# Altium PCB PCB_PLC200.PcbDoc
Units mil, origin at the board's own origin, x right, y up, seen from the top; angles counter-clockwise.
Board outline 3937.01 x 3188.98 mil, 2 copper layers (Top Layer, Bottom Layer); 54 components, 34 nets, 140 pads, 0 vias.
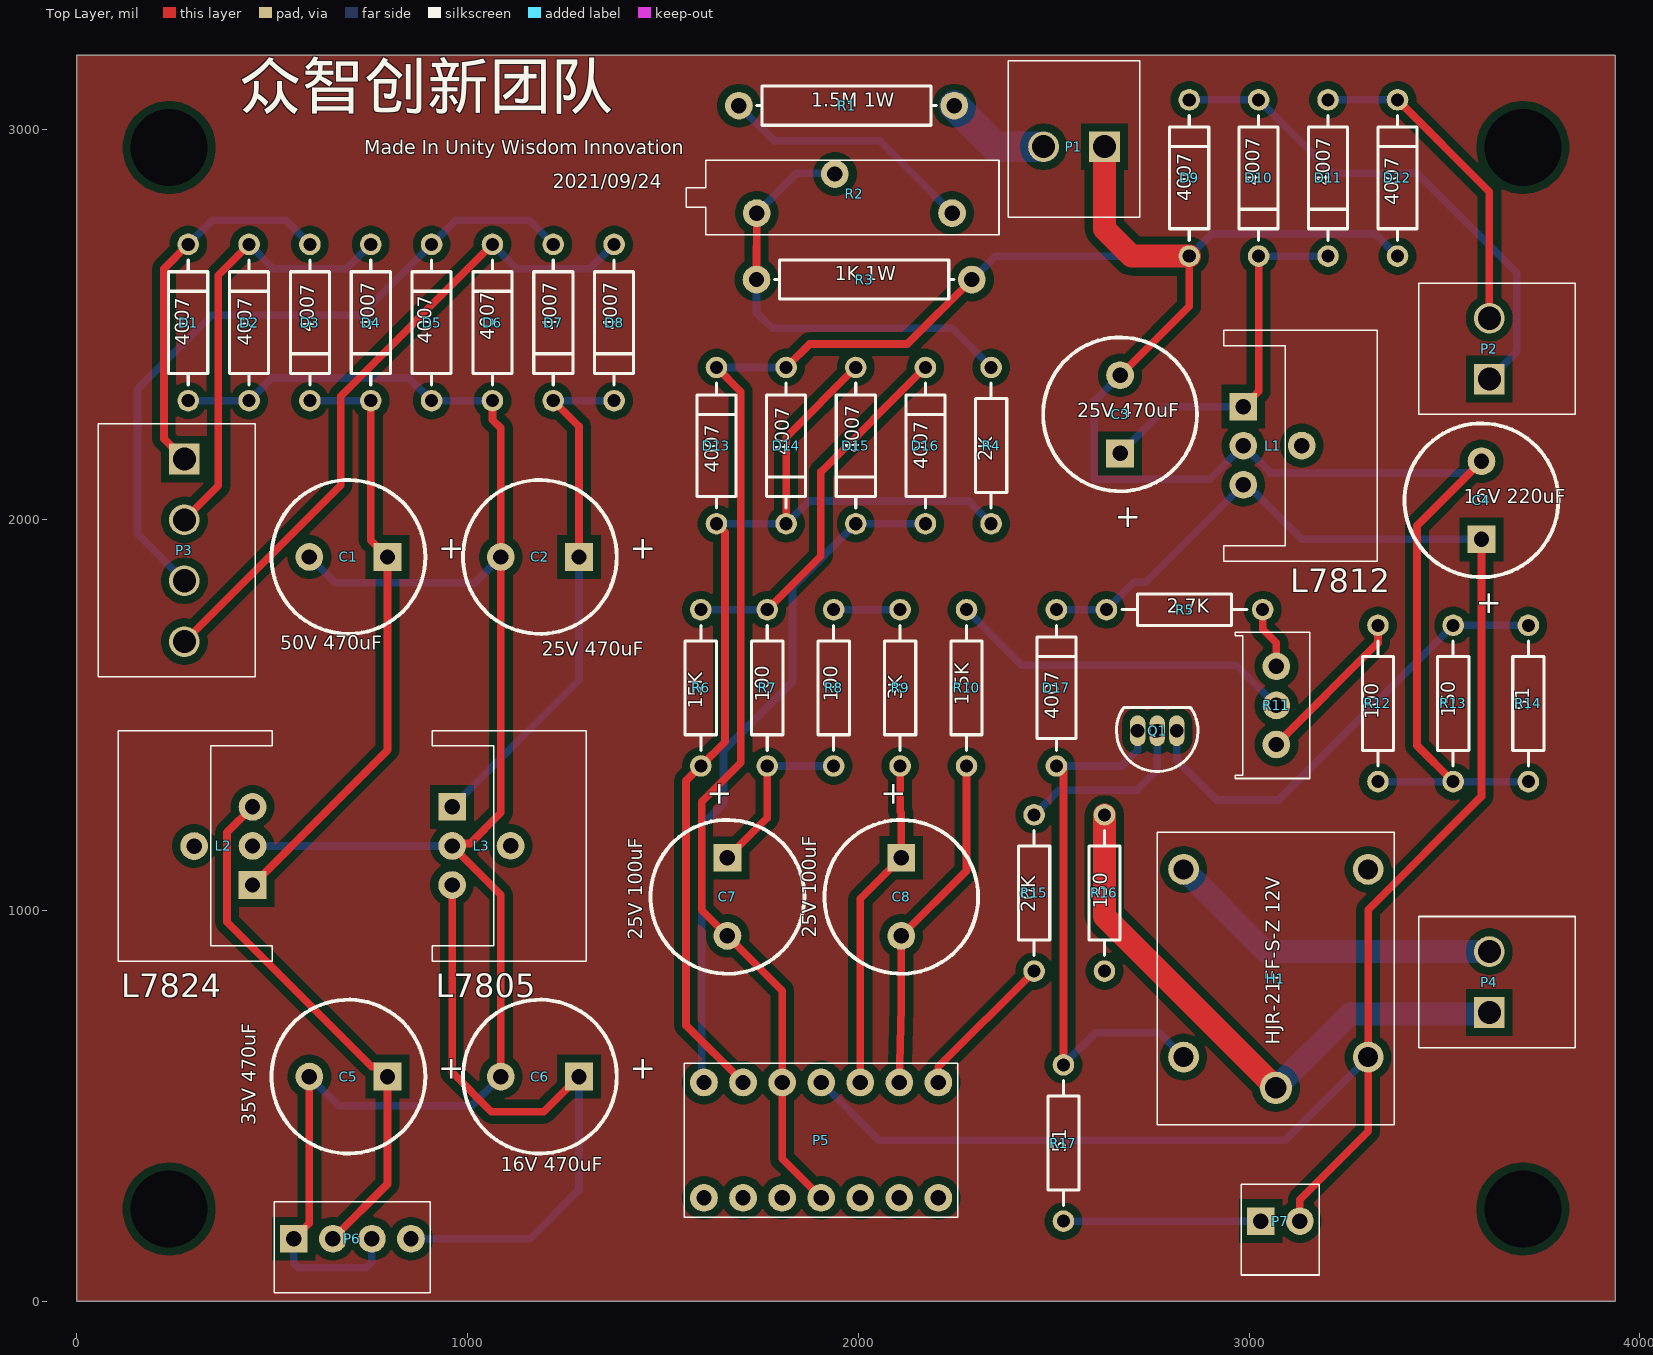
[diagram p0: Top Layer view]
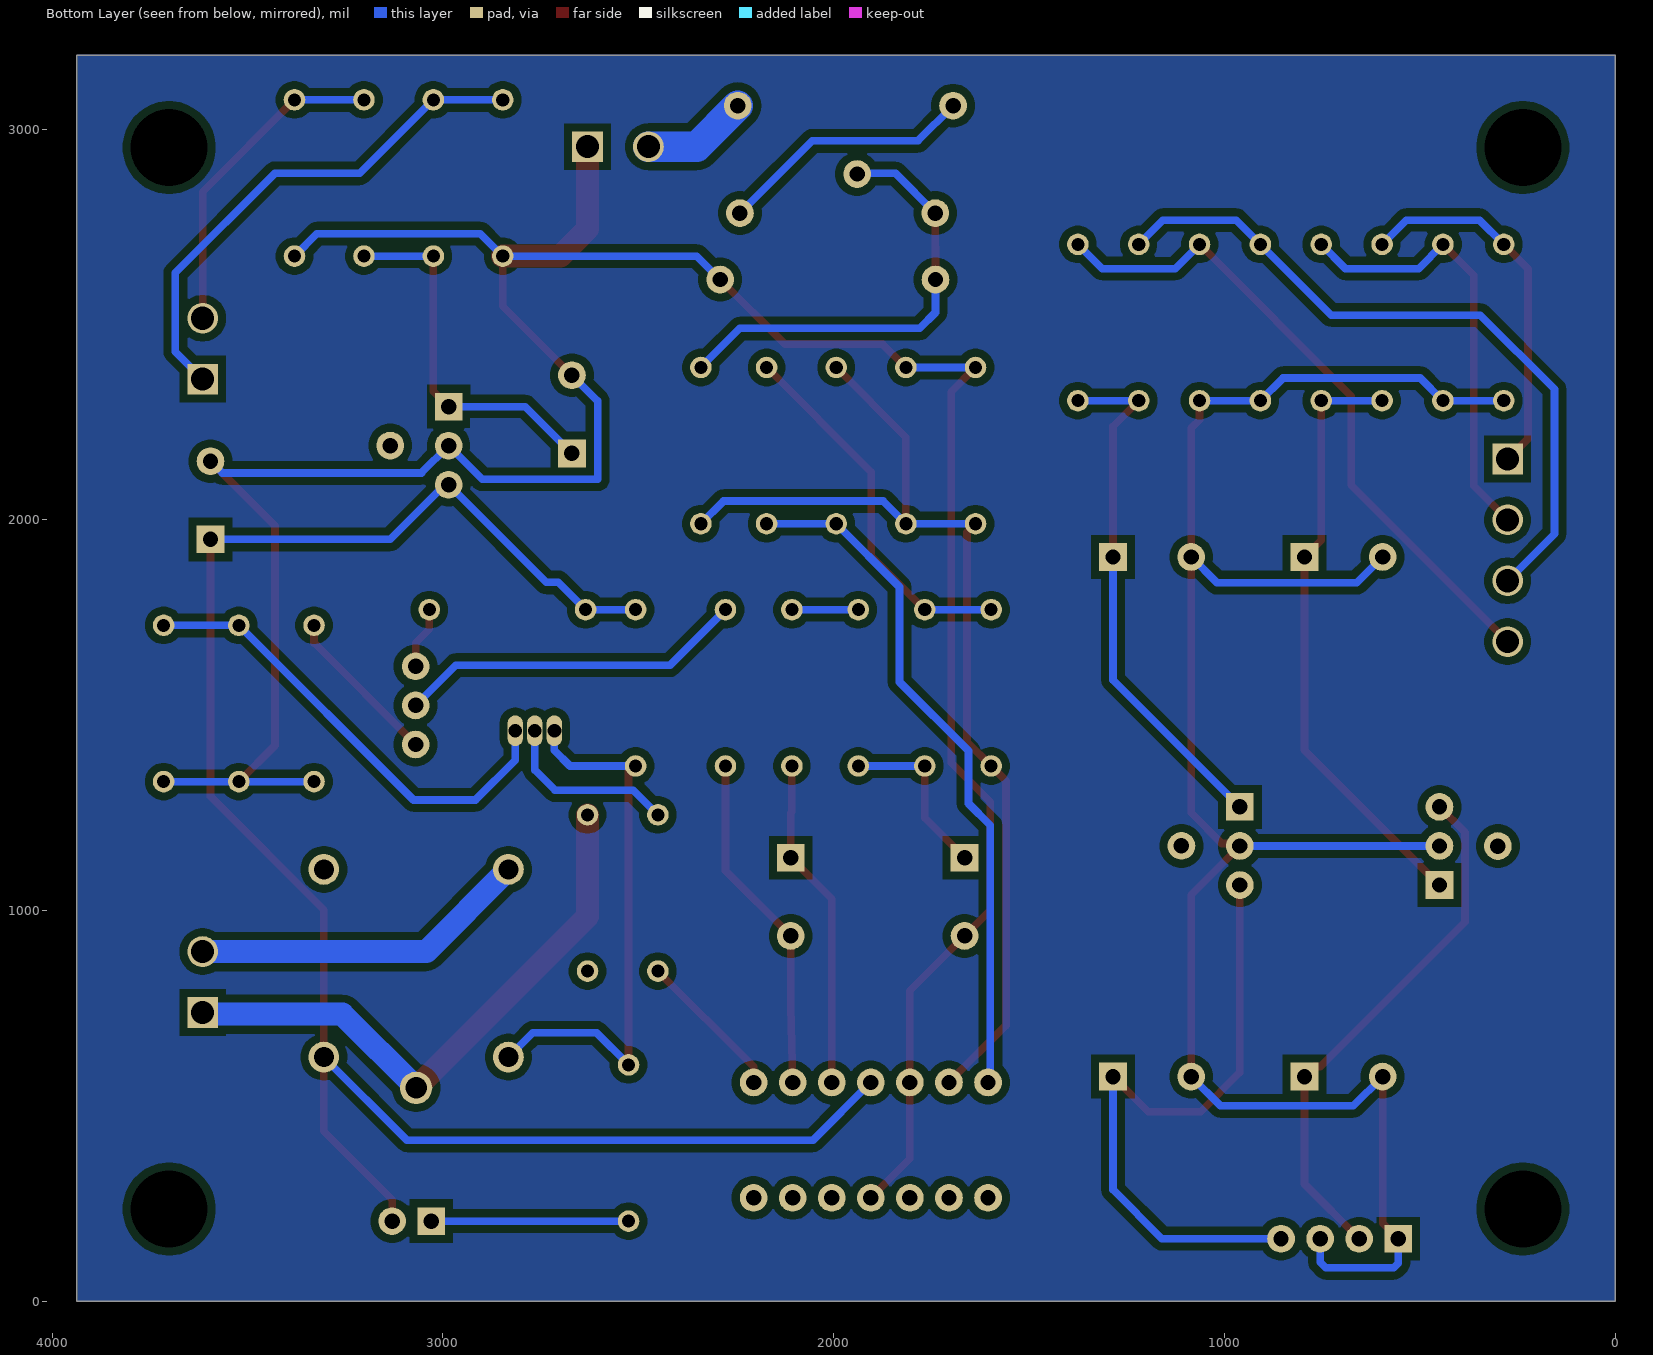
[diagram p1: Bottom Layer view, seen from below]

## Layer stack, top to bottom
Top Solder: solder mask 0.4, Solder Resist, Dk 3.5
Top Layer: signal copper 1.4
Dielectric 1: dielectric 12.6, FR-4, Dk 4.8
Bottom Layer: signal copper 1.4
Bottom Solder: solder mask 0.4, Solder Resist, Dk 3.5

## Board outline
0,0 0,3188.98 3937.01,3188.98 3937.01,0

## Design rules (kind name [scope] priority, off if disabled: settings)
Clearance [All] p1: gap=20 ignorepadtopadclearanceinfootprint=TRUE
HoleSize [All] p1: absolutevalues=TRUE maxlimit=200 minlimit=1 maxpercent=80.000 minpercent=20.000
MinimumSolderMaskSliver [All] p1: minsoldermaskwidth=0
PolygonConnect [All] p1: connectstyle=Relief reliefconductorwidth=10 reliefentries=4 polygonreliefangle="90 Angle" airgapwidth=10
RoutingVias [All] p1: holewidth=28 width=50 viastyle="Through Hole" minholewidth=28 minwidth=50 maxholewidth=28 maxwidth=50
SilkToSilkClearance [All] p1: silktosilkclearance=0
SilkToSolderMaskClearance [IsPad] p1: minsilkscreentomaskgap=0 clearancetoexposedcopper=TRUE
SolderMaskExpansion [All] p1: expansion=4 istentingtop=FALSE
Width [All] p1: maxlimit=100 minlimit=10 preferedwidth=19.68
26 further rules are at their usual default settings.

## Components (designator, comment, footprint, x,y, rotation, side; value= is the part's Value field where it differs from the comment)
C1 "Cap Pol1" RB7.6-15 595,1905 r0 top value="50V 470uF"
C2 "Cap Pol1" RB7.6-15 1085,1905 r0 top value="25V 470uF"
C3 "Cap Pol1" RB7.6-15 2670,2370 r270 top value="25V 470uF"
C4 "Cap Pol1" RB7.6-15 3595,2150 r270 top value="16V 220uF"
C5 "Cap Pol1" RB7.6-15 595,575 r0 top value="35V 470uF"
C6 "Cap Pol1" RB7.6-15 1085,575 r0 top value="16V 470uF"
C7 "Cap Pol1" RB7.6-15 1665,935 r90 top value="25V 100uF"
C8 "Cap Pol1" RB7.6-15 2110,935 r90 top value="25V 100uF"
D1 "4007" DIODE-0.4 285,2505 r90 top
D2 "4007" DIODE-0.4 440.71,2505 r90 top
D3 "4007" DIODE-0.4 596.43,2505 r270 top
D4 "4007" DIODE-0.4 752.14,2505 r270 top
D5 "4007" DIODE-0.4 907.86,2505 r90 top
D6 "4007" DIODE-0.4 1063.57,2505 r90 top
D7 "4007" DIODE-0.4 1219.29,2505 r270 top
D8 "4007" DIODE-0.4 1375,2505 r270 top
D9 "4007" DIODE-0.4 2846.97,2875 r90 top
D10 "4007" DIODE-0.4 3024.65,2875 r270 top
D11 "4007" DIODE-0.4 3202.32,2875 r270 top
D12 "4007" DIODE-0.4 3380,2875 r90 top
D13 "4007" DIODE-0.4 1636.97,2190 r90 top
D14 "4007" DIODE-0.4 1815.23,2190 r270 top
D15 "4007" DIODE-0.4 1993.48,2190 r270 top
D16 "4007" DIODE-0.4 2171.74,2190 r90 top
D17 "4007" DIODE-0.4 2506.97,1570 r90 top
H1 "HJR-21FF-S-Z" "HJR-21FF-S-Z 12V" 3068.78,451.77 r90 top
L1 "L7812" L78051224 2935,2485 r270 top
L2 "L7824" L78051224 500,870 r90 top
L3 "L7805" L78051224 910,1460.55 r270 top
P1 "CH3.96 2P" "CH3.96 2P" 2630,2955 r180 top
P2 "CH3.96 2P" "CH3.96 2P" 3615,2360 r90 top
P3 "CH3.96 4P" "CH3.96 4P" 55,2245.67 r270 top
P4 "CH3.96 2P" "CH3.96 2P" 3615,739.09 r90 top
P5 "Header 7X2A" "Header 7X2A" 1555,412.36 r0 top
P6 "Header 4" HDRR1X4 505,22.2 r0 top
P7 "Header 2" HDRR1X2 3080,299.49 r0 top
Q1 "NPN" S0914 2765,1460 r90 top
R1 "Res1" R1.5M1W 1970,3110 r0 top value=1.5M
R2 "3006P 504" R504 1560.08,2824.96 r0 top
R3 "Res1" R1K1W 2015,2665 r0 top value=1K
R4 "Res2" AXIAL-0.4 2340,2190 r90 top value=2K
R5 "Res2" AXIAL-0.4 2835,1770 r180 top value=2.7K
R6 "Res2" AXIAL-0.4 1596.97,1570 r90 top value=15K
R7 "Res2" AXIAL-0.4 1766.97,1570 r90 top value=100
R8 "Res2" AXIAL-0.4 1936.97,1570 r90 top value=100
R9 "Res2" AXIAL-0.4 2106.97,1570 r90 top value=3K
R10 "Res2" AXIAL-0.4 2276.97,1570 r90 top value=1.5K
R11 "102" R102 3070,1525 r90 top
R12 "Res2" AXIAL-0.4 3330,1530 r270 top value=100
R13 "Res2" AXIAL-0.4 3522.5,1530 r270 top value=150
R14 "Res2" AXIAL-0.4 3715,1530 r270 top value=51
R15 "Res2" AXIAL-0.4 2450,1045 r90 top value=20K
R16 "Res2" AXIAL-0.4 2630,1045 r90 top value=150
R17 "Res2" AXIAL-0.4 2525,405 r90 top value=51

## Footprints (in the part's own frame and the unit in brackets; to place one, negate y for a bottom-side part, rotate by r counter-clockwise, add the part's x,y. Pads: shape width x height; smd on the part's side, far side on the other; paste and mask are expansions set on the pad)
AXIAL-0.4 [mm]
  round 1.4 hole 0.85: 1(-5.08,0) 2(5.08,0)
  silkscreen extent -4.06,-1.02 4.06,1.02
"CH3.96 2P" [mm]
  rect 2x2 hole 1.5: 1(0,0)
  round 2 hole 1.5: 2(3.96,0)
  silkscreen extent -2.29,-5.59 6.24,4.6
"CH3.96 4P" [mm]
  rect 2x2 hole 1.5: 1(2.28,5.588)
  round 2 hole 1.5: 2(6.24,5.588) 3(10.2,5.588) 4(14.16,5.588)
  silkscreen extent -0.01,0 16.44,10.19
DIODE-0.4 [mm]
  round 1.4 hole 0.85: 1(-5.08,0) 2(5.08,0)
  silkscreen extent -4.06,-1.27 4.06,1.27
HDRR1X2 [mm] "Connector; Header; 2 Position"
  rect 1.8x1.8 hole 1: 1(-1.27,-2.4)
  round 1.8 hole 1: 2(1.27,-2.4)
  silkscreen extent -2.54,-5.9 2.54,0
HDRR1X4 [mm] "Connector; Header; 4 Position"
  rect 1.8x1.8 hole 1: 1(1.27,3.5)
  round 1.8 hole 1: 2(3.81,3.5) 3(6.35,3.5) 4(8.89,3.5)
  silkscreen extent 0,0 10.16,5.9
"Header 7X2A" [mm]
  round 1.8 hole 1: 1(1.27,-3.75) 2(3.81,-3.75) 3(6.35,-3.75) 4(8.89,-3.75) 5(11.43,-3.75) 6(13.97,-3.75) 7(16.51,-3.75) 8(1.27,3.75) 9(3.81,3.75) 10(6.35,3.75) 11(8.89,3.75) 12(11.43,3.75) 13(13.97,3.75) 14(16.51,3.75)
  silkscreen extent 0,-5 17.78,5
"HJR-21FF-S-Z 12V" [mm]
  round 2 hole 1.3: 1(16.6,-6) 2(4.4,-6) 4(4.4,6) 5(16.6,6)
  round 2.1 hole 1.4: 3(2.4,0)
  silkscreen extent 0,-7.7 19,7.7
L78051224 [mm]
  rect 1.8x1.8 hole 1: 1(4.96,1.28)
  round 1.8 hole 1: 2(7.5,1.28) 3(10.04,1.28) 4(7.493,5.08)
  silkscreen extent 0,0 15,10
R1.5M1W [mm] "Axial Device, Thru-Hole; 2 Leads; 0.3 in Pin Spacing"
  round 1.8 hole 1: 1(7,-1.27) 2(-7,-1.27)
  silkscreen extent -5.84,-2.54 5.84,0
R1K1W [mm]
  round 1.8 hole 1: 1(7,-1.27) 2(-7,-1.27)
  silkscreen extent -5.84,-2.54 5.84,0
R102 [mm] "Square Trimming Potentiometer"
  round 1.8 hole 1: 1(-2.54,0) 2(0,0) 3(2.54,0)
  silkscreen extent -4.75,-2.18 4.75,2.67
R504 [mm]
  round 1.8 hole 1: 1(17.27,-1.015) 2(9.65,1.525) 3(4.57,-1.015)
  silkscreen extent 0,-2.41 20.32,2.42
RB7.6-15 [mm] "Polarized Capacitor (Radial); 2 Leads"
  rect 1.8x1.8 hole 1: 1(5.08,0)
  round 1.8 hole 1: 2(0,0)
  silkscreen extent -2.46,-5 7.54,5
S0914 [mm] "TO, Flat Index; 3 In-Line, Axial Leads; Body Dia. 4.8mm; Leads 0.55 x 0.51 mm (max)"
  oval 2x1 hole 0.9: 1(0,1.27) 2(0,0) 3(0,-1.27)
  silkscreen extent -2.65,-2.65 1.52,2.65, body extent -2.65,-2.66 1.52,2.66, height 5.33

## Part data
C1 C2 C3 C4 C5 C6 C7 C8: "Polarized Capacitor (Radial)", LatestRevisionDate=17-Jul-2002, LatestRevisionNote="Re-released for DXP Platform.", PackageDescription="Polarized Capacitor (Radial); 2 Leads", PackageReference=RB7.6-15, Published=8-Jun-2000, Publisher="Altium Limited"
D1 D2 D3 D4 D5 D6 D7 D8 D9 D10 D11 D12 D13 D14 D15 D16 D17: library part "D Tunnel2", "Tunnel Diode - Dependent Source Model", LatestRevisionDate=17-Jul-2002, LatestRevisionNote="Re-released for DXP Platform.", PackageDescription="Diode, Thru-Hole; 2 Leads; 0.4 in Pin Spacing", PackageReference=DIODE-0.4, Published=15-Apr-2002, Publisher="Altium Limited"
L1 L2 L3: library part L78051224
P5: "Header, 7-Pin, Dual row", LatestRevisionDate=17-Jul-2002, LatestRevisionNote="Re-released for DXP Platform.", Publisher="Altium Limited"
P6: "Header, 4-Pin", LatestRevisionDate=17-Jul-2002, LatestRevisionNote="Re-released for DXP Platform.", Publisher="Altium Limited"
P7: "Header, 2-Pin", LatestRevisionDate=17-Jul-2002, LatestRevisionNote="Re-released for DXP Platform.", Publisher="Altium Limited"
Q1: "NPN Bipolar Transistor", Code_JEDEC=TO-226-AA, LatestRevisionDate=17-Jul-2002, LatestRevisionNote="Re-released for DXP Platform.", PackageDescription="TO, Flat Index; 3 In-Line, Axial Leads; Body Dia. 4.8mm; Leads 0.55 x 0.51 mm (max)", PackageReference=TO-226-AA, Published=8-Jun-2000, Publisher="Altium Limited"
R1 R3 R4 R5 R6 R7 R8 R9 R10 R12 R13 R14 R15 R16 R17: "Resistor", LatestRevisionDate=17-Jul-2002, LatestRevisionNote="Re-released for DXP Platform.", Published=8-Jun-2000, Publisher="Altium Limited"
  R1 R3: PackageDescription="Axial Device, Thru-Hole; 2 Leads; 0.3 in Pin Spacing", PackageReference=AXIAL-0.3
  R4 R5 R6 R7 R8 R9 R10 R12 R13 R14 R15 R16 R17: PackageDescription="Axial Device, Thru-Hole; 2 Leads; 0.4 in Pin Spacing", PackageReference=AXIAL-0.4
R2: library part "RPot SM_1", "Square Trimming Potentiometer", ComponentLink1Description="Manufacturer Link", ComponentLink1URL=http://bourns.com/2/search.html, DatasheetVersion=Oct-2003, PackageDescription="Square Trimming Potentiometer", PackageReference=POT4MM-2, Published=17-Dec-2003, Publisher="Altium Limited"
R11: library part "RPot SM", "Square Trimming Potentiometer", ComponentLink1Description="Manufacturer Link", ComponentLink1URL=http://bourns.com/2/search.html, DatasheetVersion=Oct-2003, PackageDescription="Square Trimming Potentiometer", PackageReference=POT4MM-2, Published=17-Dec-2003, Publisher="Altium Limited"

## Free pads (board coordinates)
  round 70.87 hole 196.85: 101(3700.79,236.22) 102(3700.79,2952.76) 103(236.22,2952.76) 104(236.22,236.22)

## Nets (pads, with @x,y where several pads share a name; then routed paths per layer and width w, separated by ;. In a path a pad name is that pad's centre, name@x,y a point inside that pad or via, vN(x,y) a via of type N, cw(c..) or ccw(c..) an arc to the next point about the centre after c; other vN are vias at no path point)
NetC1_1: C1.1 D3.2 D4.2 L2.1 | length 1556.3
  Top Layer w19.68: L2.1 795,1410.67 C1.1 752.14,1947.86 D4.2
  Bottom Layer w19.68: D3.2 D4.2
NetC1_2: C1.2 C2.2 C5.2 C6.2 D1.1 D2.1 D5.1 D6.1 L2.2 L3.2 P6.1 P6.3 | length 5064.8
  Top Layer w19.68: P6.1 595,200 C5.2 ; D6.1 1063.57,2256.43 1085,2235 C2.2 1085,1250 1006.58,1171.58 966.7,1171.58 L3.2 967.32,1158.35 1085,1040.67 C6.2
  Bottom Layer w19.68: D1.1 D2.1 498.71,2363 849.86,2363 D5.1 D6.1 ; L2.2 L3.2 ; P6.1 555,97.18 566.53,85.65 740.65,85.65 755,100 P6.3 ; C5.2 670,500 1010,500 C6.2 ; C1.2 661,1839 1019,1839 C2.2
NetC2_1: C2.1 D7.2 D8.2 L3.1 | length 1357.1
  Top Layer w19.68: D7.2 1285,2239.29 C2.1
  Bottom Layer w19.68: L3.1 1285,1589.88 C2.1 ; D7.2 D8.2
NetC3_1: C3.1 D10.2 D11.2 L1.1 | length 944.2
  Top Layer w19.68: L1.1 3024.65,2328.98 D10.2
  Bottom Layer w19.68: C3.1 2789.72,2289.72 L1.1 ; D10.2 D11.2
NetC3_2: C3.2 C4.2 C7.2 D9.1 D12.1 D13.2 D14.1 L1.2 P1.1 P5.4 P5.10 R3.1 R12.2 R13.2 R14.2 | length 7735
  Top Layer w19.68: D13.2 1699,2327.97 1699,1378 1599,1278 1599,1001 C7.2 1805,795 P5.10 1805,364.72 P5.4 ; D14.1 1875.23,2450 2125.59,2450 R3.1 ; C3.2 2846.97,2546.97 D9.1 ; R13.2 3430,1422.5 3430,1985 C4.2
  Top Layer w59.06: P1.1 2630,2744.78 2699.78,2675 D9.1
  Bottom Layer w19.68: D13.2 D14.1 ; R3.1 2350.59,2675 D9.1 2904.37,2732.4 3322.6,2732.4 D12.1 ; C3.2 2604,2304 2604,2104 2899.67,2104 L1.2 3055.12,2120 3565,2120 C4.2 ; R12.2 R13.2 R14.2
NetC4_1: C4.1 D17.2 H1.2 L1.3 P5.11 P7.2 R5.2 | length 4765.5
  Top Layer w19.68: P7.2 3130,260 3305,435 H1.2 3305,1002 3595,1292 C4.1
  Bottom Layer w19.68: P5.11 2053,412 3092,412 H1.2 ; D17.2 R5.2 2705,1840 2735.67,1840 L1.3 2995.28,2089.72 3135,1950 C4.1
NetC5_1: C5.1 L2.3 P6.2 | length 1369.5
  Top Layer w19.68: L2.3 384,1199.67 384,971 754.41,600.59 769.41,600.59 C5.1 795,300 P6.2
NetC6_1: C6.1 L3.3 P6.4 | length 1655
  Top Layer w19.68: L3.3 960.39,585.61 1061,485 1195,485 C6.1
  Bottom Layer w19.68: P6.4 1160,160 1285,285 C6.1
NetC7_1: C7.1 R7.1 R8.1 | length 447.2
  Top Layer w19.68: C7.1 1766.97,1236.97 R7.1
  Bottom Layer w19.68: R7.1 R8.1
NetC8_1: C8.1 P5.12 R9.1 | length 854.7
  Top Layer w19.68: P5.12 2005,1030 C8.1 2110,1250 2106.97,1253.03 R9.1
NetC8_2: C8.2 P5.13 R10.1 | length 879.2
  Top Layer w19.68: P5.13 2110,753 C8.2 2276.97,1101.97 R10.1
NetD1_2: D1.2 D3.1 P3.1 | length 959.1
  Top Layer w19.68: P3.1 223,2207.91 223,2643 D1.2
  Bottom Layer w19.68: D1.2 347,2767 534.43,2767 D3.1
NetD2_2: D2.2 D4.1 P3.2 | length 1136.4
  Top Layer w19.68: P3.2 362,2087 362,2626.29 D2.2
  Bottom Layer w19.68: D2.2 502.71,2643 690.14,2643 D4.1
NetD5_2: D5.2 D7.1 P3.3 | length 1808.9
  Bottom Layer w19.68: P3.3 155,1964.09 155,2334 345,2524 726.86,2524 D5.2 969.86,2767 1157.29,2767 D7.1
NetD6_2: D6.2 D8.1 P3.4 | length 1706.2
  Top Layer w19.68: P3.4 675,2088.19 675,2316.43 D6.2
  Bottom Layer w19.68: D6.2 1125.57,2643 1313,2643 D8.1
NetD9_2: D9.2 D10.1 P2.1 | length 1322.5
  Bottom Layer w19.68: D9.2 D10.1 3212.65,2887 3430,2887 3685,2632 3685,2430 P2.1
NetD11_1: D11.1 D12.2 P2.2 | length 834.1
  Top Layer w19.68: D12.2 3615,2840 P2.2
  Bottom Layer w19.68: D11.1 D12.2
NetD13_1: D13.1 D14.2 D15.1 P5.9 R4.1 R6.1 | length 2765.9
  Top Layer w19.68: D13.1 1659,1967.97 1659,1432.03 R6.1 1559,1332.03 1559,706 P5.9 ; D14.2 1815.23,2211.74 D15.1
  Bottom Layer w19.68: D13.1 D14.2 1873.23,2048 2282,2048 R4.1
NetD15_2: D15.2 D16.1 P5.8 | length 1777.7
  Bottom Layer w19.68: P5.8 1599,560 1599,1218 1655,1274 1655,1408.52 1831.48,1585 1831.48,1828 D15.2 D16.1
NetD16_2: D16.2 R6.2 R7.2 | length 957.7
  Top Layer w19.68: R7.2 1904,1907.03 1904,2122.26 D16.2
  Bottom Layer w19.68: R6.2 R7.2
NetD17_1: D17.1 H1.4 Q1.1 R17.2 | length 1424.9
  Top Layer w19.68: D17.1 2525,1370 R17.2
  Bottom Layer w19.68: D17.1 2675,1370 2715,1410 Q1.1 ; R17.2 2607.1,687.1 2770.46,687.1 H1.4
NetH1_3: H1.3 P4.1 R16.2 | length 1506.6
  Top Layer w59.05: R16.2 2630,985.04 H1.3
  Bottom Layer w59.05: H1.3 3257.52,735 3610.91,735 P4.1
NetH1_5: H1.5 P4.2 | length 869.6
  Bottom Layer w59.05: H1.5 3042.88,895 P4.2
NetP1_2: P1.2 R1.1 | length 272
  Bottom Layer w78.74: R1.1 2350.59,2955 P1.2
NetP5_14: P5.14 R15.1 | length 386.5
  Top Layer w19.68: P5.14 2205,600 R15.1
NetP7_1: P7.1 R17.1 | length 511.9
  Bottom Layer w19.68: R17.1 3030.51,205 P7.1@3035,200.51
NetQ1_2: Q1.2 R15.2 | length 462.7
  Bottom Layer w19.68: R15.2 2513,1308 2713.14,1308 2765,1359.86 Q1.2
NetQ1_3: Q1.3 R13.1 R14.1 | length 1202.4
  Bottom Layer w19.68: Q1.3 2815,1385 2917,1283 3075.5,1283 R13.1 R14.1
NetR1_2: R1.2 R2.1 | length 659.5
  Bottom Layer w19.68: R1.2 1784.41,2970 2055,2970 R2.1
NetR2_2: R2.2 R2.3 R3.2 R4.2 | length 1156.3
  Top Layer w19.68: R3.2 1739.41,2699 1740,2699.59 R2.3
  Bottom Layer w19.68: R3.2 1739.41,2530.59 1780,2490 2240,2490 R4.2 ; R2.3 1841.72,2886.72 1938.28,2886.72 R2.2
NetR5_1: R5.1 R11.3 | length 159.5
  Top Layer w19.68: R5.1 3035,1720 3070,1685 R11.3
NetR8_2: R8.2 R9.2 | length 170
  Bottom Layer w19.68: R8.2 R9.2
NetR10_2: R10.2 R11.2 | length 894.5
  Bottom Layer w19.68: R10.2 2418.97,1628 2967,1628 R11.2
NetR11_1: R11.1 R12.1 | length 412.7
  Top Layer w19.68: R11.1 3330,1685 R12.1
pads on no net: H1.1 L1.4 L2.4 L3.4 P5.1 P5.2 P5.3 P5.5 P5.6 P5.7 R16.1

## Polygon pours and split planes (outlines as drawn)
no net on Top Layer "NONET_L01_P001" (solid, pour order 1): 0,0 3935,0 3935,3190 0,3190
no net on Bottom Layer "NONET_L02_P000" (solid, pour order 0): 0,0 3935,0 3935,3190 0,3190

## Silkscreen, mask and mechanical layers (free items; w line width, h text height)
Top Overlay:
  text "众智创新团队" at 415.19,3015.17 h200
  text "Made In Unity Wisdom Innovation" at 735.92,2924.14 h60
  text "4007" at 3039.17,2855.06 h60 r90
  text "4007" at 3219.17,2855.06 h60 r90
  text "2021/09/24" at 1217.77,2837.22 h60
  text "4007" at 2864.17,2815.06 h60 r90
  text "4007" at 3394.17,2805.06 h60 r90
  text "4007" at 774.17,2485.06 h60 r90
  text "4007" at 1239.17,2485.06 h60 r90
  text "4007" at 1394.17,2485.06 h60 r90
  text "4007" at 619.17,2480.06 h60 r90
  text "4007" at 1079.17,2460.06 h60 r90
  text "4007" at 919.17,2450.06 h60 r90
  text "4007" at 299.17,2445.06 h60 r90
  text "4007" at 459.17,2445.06 h60 r90
  text "25V 470uF" at 2560,2251.22 h60
  text "4007" at 2014.17,2170.06 h60 r90
  text "4007" at 1834.17,2165.06 h60 r90
  text "2K" at 2354.83,2150 h60 r90
  text "4007" at 2189.17,2130.06 h60 r90
  text "4007" at 1654.17,2120.06 h60 r90
  text "16V 220uF" at 3550,2031.22 h60
  text "2.7K" at 2790,1750.83 h60
  text "50V 470uF" at 520.06,1656.22 h60
  text "25V 470uF" at 1190,1641.22 h60
  text "3K" at 2124.17,1540 h60 r90
  text "100" at 1784.17,1535 h60 r90
  text "100" at 1959.17,1535 h60 r90
  text "1.5K" at 2294.17,1525 h60 r90
  text "15K" at 1612.08,1516.87 h60 r90
  text "51" at 3729.17,1510.06 h60 r90
  text "150" at 3539.17,1495 h60 r90
  text "4007" at 2524.17,1490.06 h60 r90
  text "100" at 3344.17,1490 h60 r90
  text "150" at 2649.17,1005 h60 r90
  text "20K" at 2464.17,995 h60 r90
  text "25V 100uF" at 1903.78,930 h60 r90
  text "25V 100uF" at 1458.78,925 h60 r90
  text "35V 470uF" at 468.78,450 h60 r90
  text "51" at 2544.17,380.06 h60 r90
  text "16V 470uF" at 1085,321.22 h60
Mechanical 1:
  the board outline again, w3.94

## Text inside footprints (layer, text, board x,y; h text height)
C1: Top Overlay "+" at 925,1880.65 h100
C2: Top Overlay "+" at 1415,1880.65 h100
C3: Top Overlay "+" at 2645.65,2040 h100 r270
C4: Top Overlay "+" at 3570.65,1820 h100 r270
C5: Top Overlay "+" at 925,550.65 h100
C6: Top Overlay "+" at 1415,550.65 h100
C7: Top Overlay "+" at 1689.35,1265 h100 r90
C8: Top Overlay "+" at 2134.35,1265 h100 r90
H1: Top Overlay "HJR-21FF-S-Z 12V" at 3090.4,656.77 h60 r90
R1: Top Overlay "1.5M 1W" at 1880,3046.17 h60
R3: Top Overlay "1K 1W" at 1940,2601.17 h60